# KiCad board Duet2.kicad_pcb (continued)
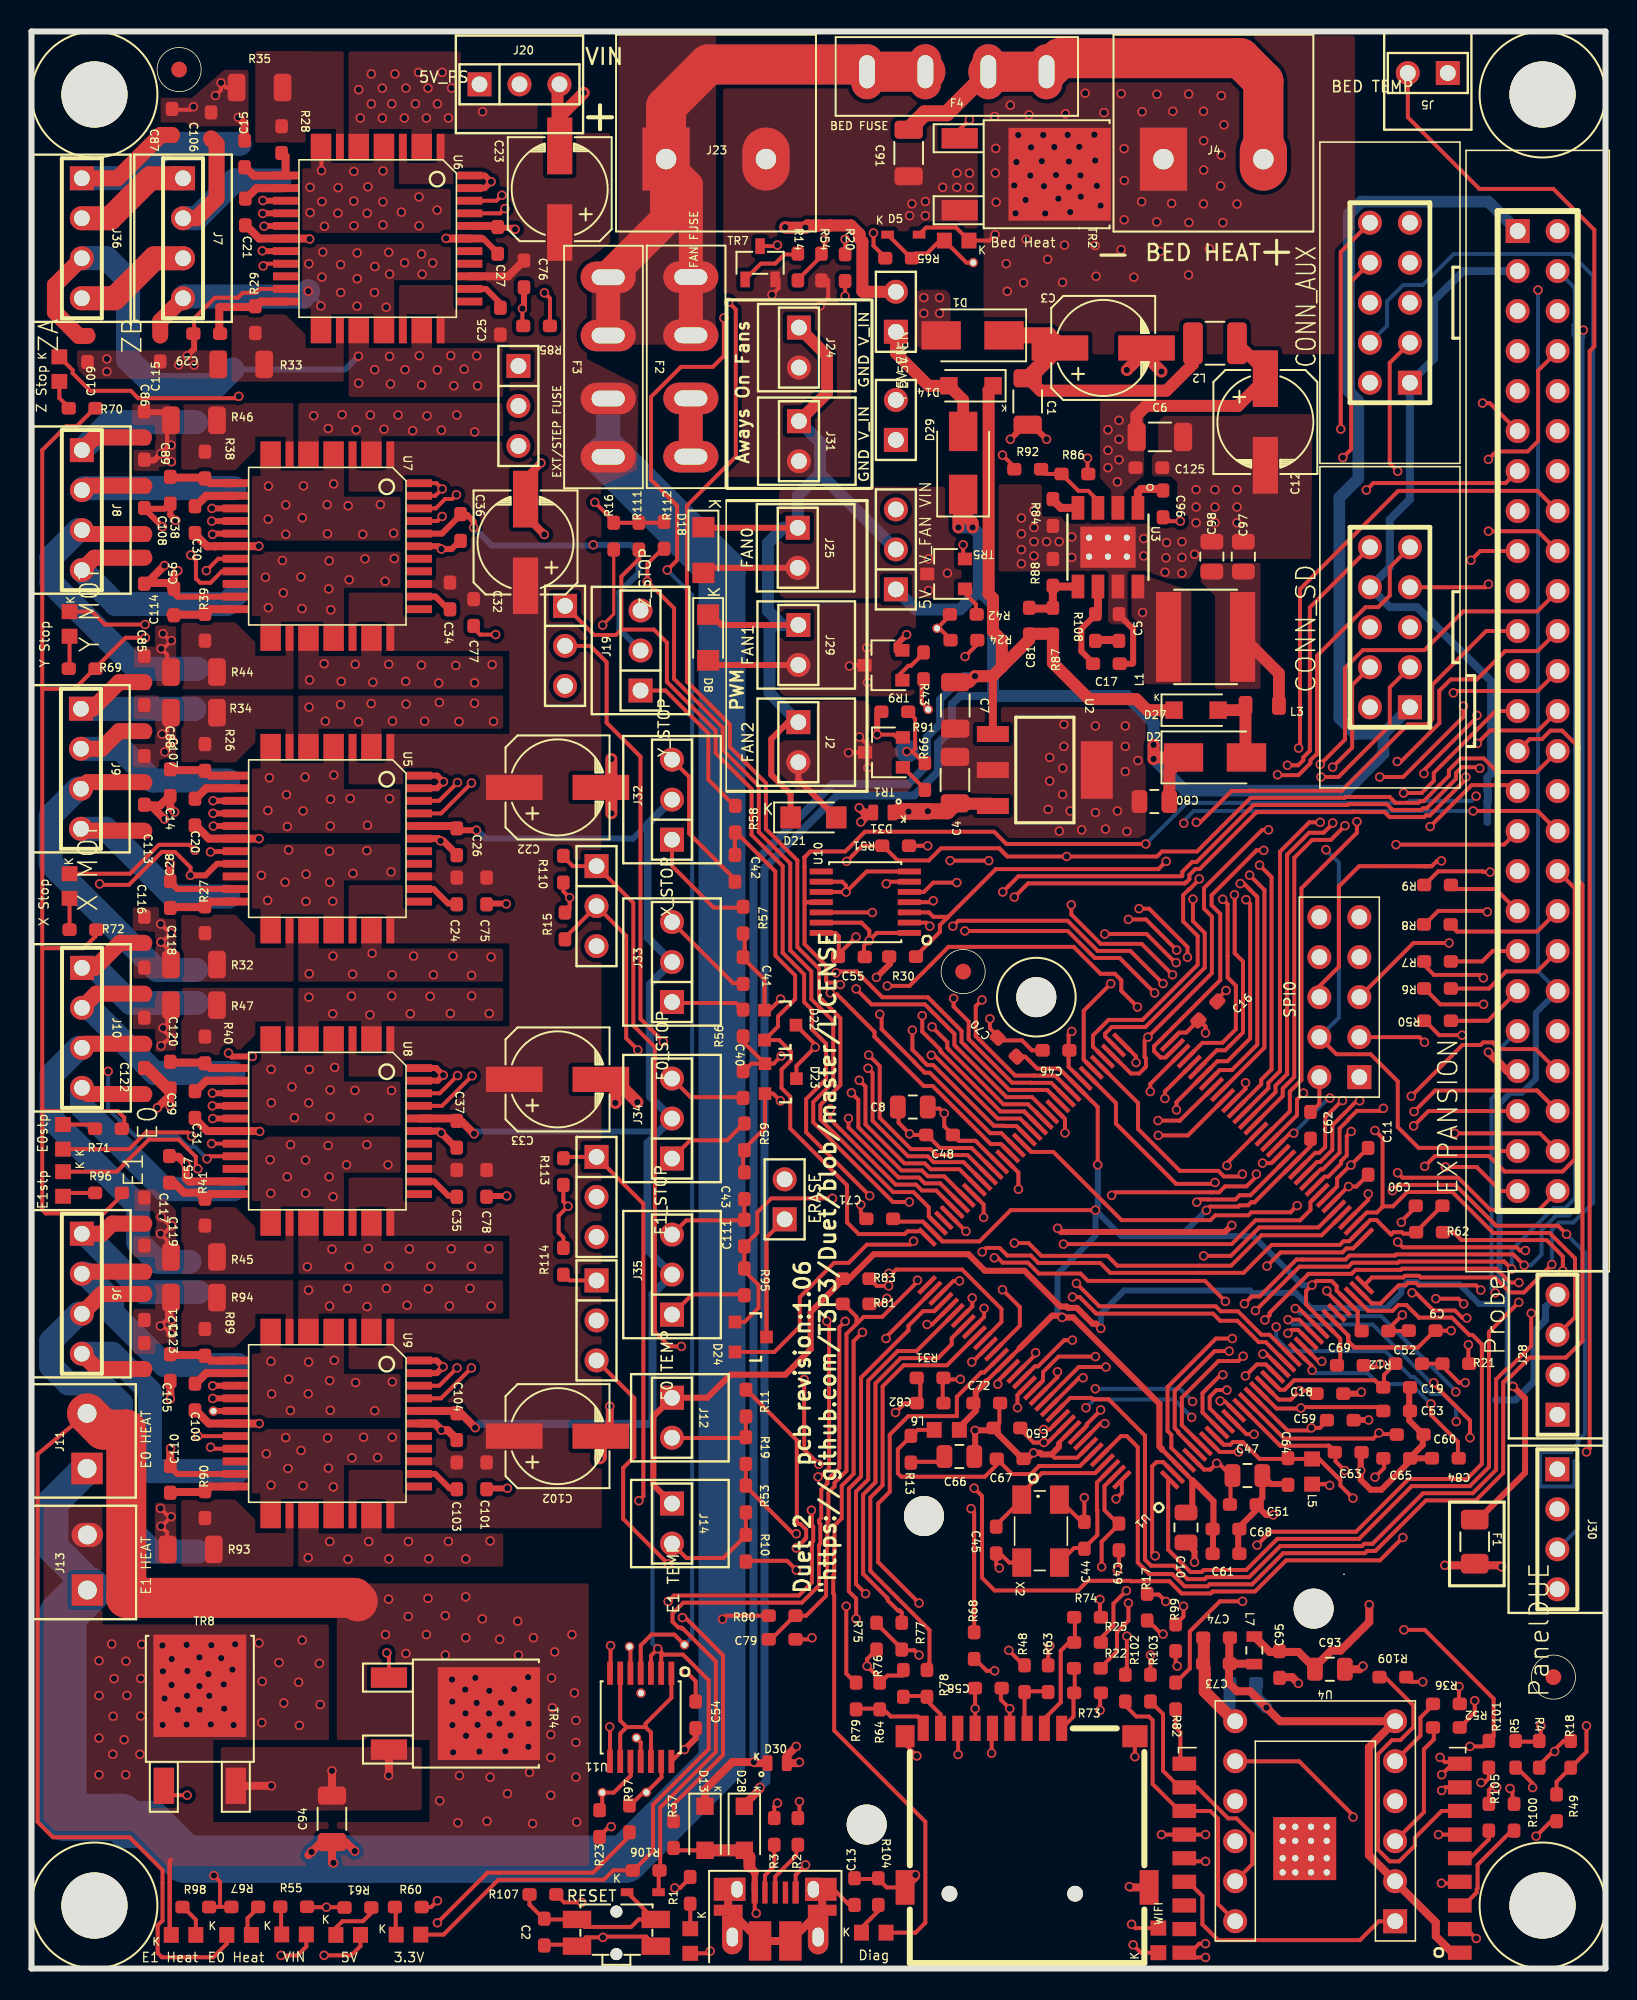
[diagram p0: board, top side]
## Placement (name value [footprint] x y rotation side) (continued)
TP15  TP  [TP_via]  11.54 35.41 0 top
TP16  TP  [TP_via]  59.81 108.34 0 top
TR1  AO3400A  [SOT-23_AO3400A]  54.16 77.22 180 top
TR2  IPD036N04L  [D-PAK]  65.32 113.93 270 top
TR4  AOD4184A  [D-PAK]  29.06 16.19 270 top
TR5  AO3400A  [SOT-23_AO3400A]  58.11 88.55 180 top
TR7  AO3400A  [SOT-23]  46.29 108.31 0 top
TR8  AOD4184A  [D-PAK]  10.7 17.95 0 top
TR9  AO3400A  [SOT-23_AO3400A]  54.13 82.76 180 top
U1  ATSAM4E8E  [LQFP144]  70.79 44.93 225 top
U2  AP7361C-33E-13  [SOT-223]  64.38 76.1 270 top
U3  AP64200  [SO8_EP1_DiodesInc]  68.39 90.25 270 top
U4  -  [ESP-WROOM-02]  81.99 7 180 top
U5  -  [TMC2660]  18.8 71.75 270 top
U6  -  [TMC2660]  21.99 109.85 270 top
U7  -  [TMC2660]  18.8 90.32 270 top
U8  -  [TMC2660]  18.8 53.18 270 top
U9  -  [TMC2660]  18.8 34.61 270 top
U10  74HC125  [TSSOP-14]  52.97 67.71 90 top
U11  74HCT02  [TSSOP-14]  38.7 15.95 180 top
X2  CRYSTAL_4PIN  [Xtal_5x3.2]  64.11 27.77 270 top

## Library data of the parts
C1 C4 C6 C7 C91 C94 = -: Part Number: GMK316BJ106KL-T
C2 C13-C15 C28 C29 C38 C39 C56 C57 C79 C105 C110 = -: Part Number: CL10B103KB8NNNC
C3 C12 C22 C23 C32 C33 C102 = -: Part Number: 865080545012
C5 = -: Part Number: CL10B562KB8NNNC
C8 C10 C47 C93 = -: Part Number: CL21A106KPFNNNE
C9 C11 C16 C26 C27 C36 C37 C46 C48-C52 C54 C55 C61 C62 C64 C67 C69-C72 C82 C96 C104 = -: Part Number: CL10B104KO8NNNC
C18 C19 C53 C58-C60 C63 C65 C68 C84 = -: Part Number: GRM188R6YA225KA12D
C20 C21 C30 C31 C100 = -: Part Number: GRM188R61A474KA61D
C24 C25 C34 C35 C103 C125 = -: Part Number: CL10B104KB8NNNC
C40-C43 C90 C95 C111 = -: Part Number: 0603B222K500CT
C44 C45 = -: Part Number: VJ0603A100JXACW1BC
C66 = -: Part Number: CL21B475KPFNNNE
C73 = -: Part Number: DNP- 220p X7R 50V
C74 = -: Part Number: DNP - 2n2 X7R 50V
C75-C78 C101 = -: Part Number: UMK107BJ105KA-T
C80 C97 C98 = -: Part Number: GRM21BR61E226ME44L
C85-C89 C106-C109 C113-C123 = -: Part Number: VJ0603Y102KXACW1BC
D1 D2 D29 = -: Part Number: SK34ATR
D3 D4 D6 D7 D9-D12 D17 D19 D20 = -: Part Number: 150060RS75000
D5 D25 = -: Part Number: 1N4448WT
D8 D18 D21 = -: Part Number: ES1CL RVG / VS-1EFH02HM3/I
D13 D14 D27 D28 = -: Part Number: DSS14UTR / RB162MM-40TR
D15 = -: Part Number: 150060BS75000
D16 D26 = -: Part Number: 150060VS75000
D22-D24 = -: Part Number: BAT54CLT1G
D30 = -: Part Number: 824032815
D31 = -: Part Number: 824032813
F1 = -: Part Number: 0ZCJ0020FF2E
F2 = -: Part Number: MCCQ-122 + Fitted with 1A Fuse e.g. 168.6785.4102
F3 = -: Part Number: MCCQ-122 + Fitted with 7.5A Fuse e.g. 029707.5WXNV
F4 = -: Part Number: MCCQ-122 + Fitted with 15A Fuse e.g. 029707.5WXNV
J1 = -: Part Number: 61205021621
J2 J5 J12 J14 J24 J25 J29 J31 = -: Part Number: 61900211121
J3 = -: Part Number: THS-03-R
J4 J23 = -: Part Number: KF635
J6-J10 J28 J30 J36 = -: Part Number: 61900411121
J11 J13 = -: Part Number: KF124-3.50-2P; Field5: front
J15 = -: Part Number: 693071020811
J16 = -: Part Number: B01-1x6-AG1-G (ethernet only)
J19 J20 J32-J35 = -: Part Number: 61900311121
J22 = -: Part Number: 10103594-0001LF
J37 = -: Part Number: THD-05-R; Field5: <10mm max height
JP1 JP9 JP10 = -: Part Number: THS-02-R
L1 = -: Part Number: 74404064100
L2 = -: Part Number: BRL3225T1R0M
L3 = -: Part Number: 742792031 / MPZ2012S221AT000
L5 L6 = -: Part Number: 742792662 / PE-0603FB102ST
M1-M7 TP1-TP16 = -: Part Number: Virtual Component DNP
P1 P2 = -: Part Number: 61201021621 / 302-S-10-D1R1
R1 R17 R61 R104 = -: Part Number: RMCF0603FT2K20
R2 R3 = -: Part Number: ERJ3EKF27R0V
R4 R18 R54 R55 R65 R67 R81 R98 R110-R114 = -: Part Number: ERJ3EKF4701V
R5 R49 R103 = -: Part Number: RC0603FR-07470RL
R6-R12 R24 R50 R51 R56-R59 R62-R64 R83 R88 R91 R95 R106 = -: Part Number: RMCF0603FT10K0
R13 = -: Part Number: MCWR06W1R00FTL
R14 R42 R43 R66 R69-R72 R82 R96 R99 R102 = -: Part Number: ERJ3EKF1001V
R15 R16 R85 = -: Part Number: DNP - ERJ3EKF4701V
R19 R21 R53 = -: Part Number: RN73H1JTTD4701B25
R20 R23 R60 R97 R109 = -: Part Number: ERJ3EKF1800V
R22 R25 R48 R77-R79 = -: Part Number: ERJ3EKF2200V
R26-R29 R38-R41 R89 R90 = -: Part Number: RC0603FR-1322RL
R30 = -: Part Number: ERJ3EKF68R0V
R31 R80 = -: Part Number: CR0603-FX-4702ELF
R32-R35 R44-R47 R93 R94 = -: Part Number: CSR1206FT50L0
R36 R52 R68 R100 R101 R105 R107 = -: Part Number: ERJ3EKF1000V
R37 = -: Part Number: RC0603FR-0727KL
R73-R76 = -: Part Number: DNP - 47K
R84 = -: Part Number: RC0603FR-07200KL
R86 R108 = -: Part Number: RC0603FR-0714KL
R87 = -: Part Number: RC0603FR-0752K3L
R92 = -: Part Number: RC0603FR-0768K1L
S1 = -: Part Number: LY-A03-02A
TR1 TR5 TR7 TR9 = -: Part Number: AO3400A / AOSS32334C
TR2 = -: Part Number: IPD90N03S4L03
TR4 TR8 = -: Part Number: AOD66406 / AOD4184A
U1 = -: Part Number: ATSAM4E8EA-AU
U3 = -: Part Number: AP64200SP-13
U4 = -: Part Number: ESP-WROOM-02/U (Internal and External Antenna Versions)
U5-U9 = -: Part Number: TMC2660-PA-T
U10 = -: Part Number: MC74HC125ADTR2G
U11 = -: Part Number: SN74HCT02PWR
X2 = -: Part Number: ABM3B-12.000MHZ-10-1-U-T

## Footprints (pads in the part's own frame, mm; a bottom-side part is the same pattern mirrored in y, then rotated)
3.5MM_2X1
  rect 2x2 hole 1.199: 1(-1.75,0)
  oval 1.524x2 hole 1.199: 2(1.75,0)
C_0603_1608Metric_Wbry
  rrect 0.9x0.8 smd: 1(-0.85,0) 2(0.85,0)
C_0805_2012Metric
  rrect 1x1.45 smd: 1(-0.95,0) 2(0.95,0)
C_1206_3216Metric
  rrect 1.15x1.8 smd: 1(-1.475,0) 2(1.475,0)
C_ELEC_6.3x7.7
  rect 3.599x1.6 smd: 1(2.751,0) 2(-2.751,0)
CONN_3x1
  rect 1.524x1.524 hole 1: 1(-2.54,0)
  round 1.524 hole 1: 2(0,0) 3(2.54,0)
CONN_ALT_HEADER_v2
  round 2.54 hole 2.54 unplated: (-33.57,6.14) (-29.93,25.73) (-5.176,19.85)
  rect 1.524x1.524 hole 1: 1(0,0)
  round 1.524 hole 1: 2(0,2.54) 3(0,5.08) 4(0,7.62) 5(0,10.16) 6(0,12.7) 10(-10.16,12.7) 11(-10.16,10.16) 12(-10.16,7.62) 13(-10.16,5.08) 14(-10.16,2.54) 15(-10.16,0)
D-PAK
  rect 5.9x6.5 smd: D(0,0)
  rect 1.3x2.301 smd: G(-2.286,-6.35) S(2.286,-6.35)
D_0603
  rect 0.95x1.001 smd: 1(0.762,0) 2(-0.8,0)
D_SMA
  rect 2.5x1.8 smd: 1(-2,0) 2(2,0)
D_SOD-123F
  rect 1.1x1.1 smd: 1(-1.4,0) 2(1.4,0)
DFN1610-2L
  rrect 0.625x1 smd: 1(-0.613,0) 2(0.613,0)
DO-219AB
  rect 1.3x1.4 smd: 1(-1.45,0) 2(1.45,0)
ESP-WROOM-02
  rect 1.5x0.9 smd: 1(-8.75,6) 2(-8.75,4.5) 3(-8.75,3) 4(-8.75,1.5) 5(-8.75,0) 6(-8.75,-1.5) 7(-8.75,-3) 8(-8.75,-4.5) 9(-8.75,-6) 10(8.75,-6) 11(8.75,-4.5) 12(8.75,-3) 13(8.75,-1.5) 14(8.75,0) 15(8.75,1.5) 16(8.75,3) 17(8.75,4.5) 18(8.75,6)
  round 0.6 hole 0.4: 19(-0.3,0.9) 19(-0.3,0) 19(-0.3,-1.1) 19(-0.3,-2) 19(0.7,0.9) 19(0.7,0) 19(0.7,-1.1) 19(0.7,-2) 19(1.7,0.9) 19(1.7,0) 19(1.7,-1.1) 19(1.7,-2) 19(2.5,0.9) 19(2.5,0) 19(2.5,-1.1) 19(2.5,-2)
  rect 1.7x1.7 smd: 19(0.1,0.4) 19(0.1,-1.6) 19(2.1,0.4) 19(2.1,-1.6)
  rect 4x4 smd: 19(1.1,-0.61)
Fiducial_1mm_Dia_2.54mm_Outer_CopperTop
  round 1 smd: (0,0)
Fixing_M4
  round 4.201 hole 4.201 unplated: (0,0)
Fuse_1206_3216Metric
  rrect 1.25x1.75 smd: 1(-1.4,0) 2(1.4,0)
IDC_PIN_ARRAY_5x2
  rect 1.524x1.524 hole 1: 1(-5.08,-1.27)
  round 1.524 hole 1: 2(-5.08,1.27) 3(-2.54,-1.27) 4(-2.54,1.27) 5(0,-1.27) 6(0,1.27) 7(2.54,-1.27) 8(2.54,1.27) 9(5.08,-1.27) 10(5.08,1.27)
JUMPER
  rect 1.524x1.524 hole 1: 1(-1.27,0)
  round 1.524 hole 1: 2(1.27,0)
L_6x6
  rect 5.7x1.6 smd: 1(0,-2.35) 2(0,2.35)
L_0603_1608Metric
  rect 0.67x1 smd: 1(-0.875,0) 2(0.875,0)
L_0805_2012Metric
  rrect 0.875x1.2 smd: 1(-1.062,0) 2(1.062,0)
L_1210_3225Metric
  rrect 1.25x2.65 smd: 1(-1.4,0) 2(1.4,0)
LQFP144
  rect 0.279x1.501 smd: 1(8.75,10.899) 2(8.25,10.899) 3(7.75,10.899) 4(7.249,10.899) 5(6.749,10.899) 6(6.251,10.899) 7(5.751,10.899) 8(5.25,10.899) 9(4.75,10.899) 10(4.249,10.899) 11(3.749,10.899) 12(3.251,10.899) 13(2.751,10.899) 14(2.25,10.899) 15(1.75,10.899) 16(1.25,10.899) 17(0.749,10.899) 18(0.249,10.899) 19(-0.249,10.899) 20(-0.749,10.899) 21(-1.25,10.899) 22(-1.75,10.899) 23(-2.25,10.899) 24(-2.751,10.899) 25(-3.251,10.899) 26(-3.749,10.899) 27(-4.249,10.899) 28(-4.75,10.899) 29(-5.25,10.899) 30(-5.751,10.899) 31(-6.251,10.899) 32(-6.749,10.899) 33(-7.249,10.899) 34(-7.75,10.899) 35(-8.25,10.899) 36(-8.75,10.899) 73(-8.75,-10.899) 74(-8.25,-10.899) 75(-7.75,-10.899) 76(-7.249,-10.899) 77(-6.749,-10.899) 78(-6.251,-10.899) 79(-5.751,-10.899) 80(-5.25,-10.899) 81(-4.75,-10.899) 82(-4.249,-10.899) 83(-3.749,-10.899) 84(-3.251,-10.899) 85(-2.751,-10.899) 86(-2.25,-10.899) 87(-1.75,-10.899) 88(-1.25,-10.899) 89(-0.749,-10.899) 90(-0.249,-10.899) 91(0.249,-10.899) 92(0.749,-10.899) 93(1.25,-10.899) 94(1.75,-10.899) 95(2.25,-10.899) 96(2.751,-10.899) 97(3.251,-10.899) 98(3.749,-10.899) 99(4.249,-10.899) 100(4.75,-10.899) 101(5.25,-10.899) 102(5.751,-10.899) 103(6.251,-10.899) 104(6.749,-10.899) 105(7.249,-10.899) 106(7.75,-10.899) 107(8.25,-10.899) 108(8.75,-10.899)
  rect 1.501x0.279 smd: 37(-10.899,8.75) 38(-10.899,8.25) 39(-10.899,7.75) 40(-10.899,7.249) 41(-10.899,6.749) 42(-10.899,6.251) 43(-10.899,5.751) 44(-10.899,5.25) 45(-10.899,4.75) 46(-10.899,4.249) 47(-10.899,3.749) 48(-10.899,3.251) 49(-10.899,2.751) 50(-10.899,2.25) 51(-10.899,1.75) 52(-10.899,1.25) 53(-10.899,0.749) 54(-10.899,0.249) 55(-10.899,-0.249) 56(-10.899,-0.749) 57(-10.899,-1.25) 58(-10.899,-1.75) 59(-10.899,-2.25) 60(-10.899,-2.751) 61(-10.899,-3.251) 62(-10.899,-3.749) 63(-10.899,-4.249) 64(-10.899,-4.75) 65(-10.899,-5.25) 66(-10.899,-5.751) 67(-10.899,-6.251) 68(-10.899,-6.749) 69(-10.899,-7.249) 70(-10.899,-7.75) 71(-10.899,-8.25) 72(-10.899,-8.75) 109(10.899,-8.75) 110(10.899,-8.25) 111(10.899,-7.75) 112(10.899,-7.249) 113(10.899,-6.749) 114(10.899,-6.251) 115(10.899,-5.751) 116(10.899,-5.25) 117(10.899,-4.75) 118(10.899,-4.249) 119(10.899,-3.749) 120(10.899,-3.251) 121(10.899,-2.751) 122(10.899,-2.25) 123(10.899,-1.75) 124(10.899,-1.25) 125(10.899,-0.749) 126(10.899,-0.249) 127(10.899,0.249) 128(10.899,0.749) 129(10.899,1.25) 130(10.899,1.75) 131(10.899,2.25) 132(10.899,2.751) 133(10.899,3.251) 134(10.899,3.749) 135(10.899,4.249) 136(10.899,4.75) 137(10.899,5.25) 138(10.899,5.751) 139(10.899,6.251) 140(10.899,6.749) 141(10.899,7.249) 142(10.899,7.75) 143(10.899,8.25) 144(10.899,8.75)
MAX_TEMP_DB
  round 2.54 hole 2.54 unplated: (0,19.251)
  rect 1.524x1.524 hole 1: 1(-5.08,-1.27)
  round 1.524 hole 1: 2(-5.08,1.27) 3(-2.54,-1.27) 4(-2.54,1.27) 5(0,-1.27) 6(0,1.27) 7(2.54,-1.27) 8(2.54,1.27) 9(5.08,-1.27) 10(5.08,1.27)
MCCQ-122-minibladefuseholder
  oval 2x3.5 hole 1x2.1: 1(0,0) 1(3.7,0) 2(7.7,0) 2(11.4,0)
PIN_ARRAY_2X1
  rect 1.524x1.524 hole 1: 1(-1.27,0)
  round 1.524 hole 1: 2(1.27,0)
PIN_ARRAY_3X1
  rect 1.524x1.524 hole 1: 1(-2.54,0)
  round 1.524 hole 1: 2(0,0) 3(2.54,0)
PIN_ARRAY_4x1
  rect 1.524x1.524 hole 1: 1(-3.81,0)
  round 1.524 hole 1: 2(-1.27,0) 3(1.27,0) 4(3.81,0)
PIN_ARRAY_25X2
  rect 1.524x1.524 hole 1: 1(-30.48,-1.27)
  round 1.524 hole 1: 2(-30.48,1.27) 3(-27.94,-1.27) 4(-27.94,1.27) 5(-25.4,-1.27) 6(-25.4,1.27) 7(-22.86,-1.27) 8(-22.86,1.27) 9(-20.32,-1.27) 10(-20.32,1.27) 11(-17.78,-1.27) 12(-17.78,1.27) 13(-15.24,-1.27) 14(-15.24,1.27) 15(-12.7,-1.27) 16(-12.7,1.27) 17(-10.16,-1.27) 18(-10.16,1.27) 19(-7.62,-1.27) 20(-7.62,1.27) 21(-5.08,-1.27) 22(-5.08,1.27) 23(-2.54,-1.27) 24(-2.54,1.27) 25(0,-1.27) 26(0,1.27) 27(2.54,-1.27) 28(2.54,1.27) 29(5.08,-1.27) 30(5.08,1.27) 31(7.62,-1.27) 32(7.62,1.27) 33(10.16,-1.27) 34(10.16,1.27) 35(12.7,-1.27) 36(12.7,1.27) 37(15.24,-1.27) 38(15.24,1.27) 39(17.78,-1.27) 40(17.78,1.27) 41(20.32,-1.27) 42(20.32,1.27) 43(22.86,-1.27) 44(22.86,1.27) 45(25.4,-1.27) 46(25.4,1.27) 47(27.94,-1.27) 48(27.94,1.27) 49(30.48,-1.27) 50(30.48,1.27)
R_0603
  rect 0.95x1.001 smd: 1(-0.8,0) 2(0.8,0)
R_0603_1608Metric_Wbry
  rrect 0.9x0.8 smd: 1(-0.85,0) 2(0.85,0)
R_1206_3216Metric
  rrect 1.125x1.75 smd: 1(-1.462,0) 2(1.462,0)
SO8_EP1_DiodesInc
  rect 1.505x0.802 smd: 1(-2.498,1.905) 2(-2.498,0.635) 3(-2.498,-0.635) 4(-2.498,-1.905) 5(2.498,-1.905) 6(2.498,-0.635) 7(2.498,0.635) 8(2.498,1.905)
  round 0.6 hole 0.4: 9(-0.6,1.2) 9(-0.6,0) 9(-0.6,-1.2) 9(0.6,1.2) 9(0.6,0) 9(0.6,-1.2)
  rect 1.2x1.6 smd: 9(-0.6,0.8) 9(-0.6,-0.8) 9(0.6,0.8) 9(0.6,-0.8)
  rect 2.613x3.502 smd: 9(0,0)
  rect 2.613x3.502 smd far side: 9(0,0)
SOD-523F
  rect 0.8x0.5 smd: 1(-1,0) 2(1,0)
SOT-23
  rect 0.599x1.001 smd: D(0,1.057) G(-0.953,-1.057) S(0.953,-1.057)
SOT-23-D
  rect 0.8x0.8 smd: 1(-0.95,-1.001) 2(0.95,-1.001) 3(0,0.998)
SOT-23_AO3400A
  rect 0.9x0.8 smd: 1(-1.2,0.95) 2(-1.2,-0.95) 3(1.2,0)
SOT-223
  rect 1.016x2.032 smd: 1(-2.286,-3.302) 2(0,-3.302) 3(2.286,-3.302)
  rect 3.658x2.032 smd: 4(0,3.302)
SW_SIDE_1_lugs
  round 0.762 hole 0.762 unplated: (0,1.35) (0,-1.35)
  rect 1.8x1.1 smd: 1(-2.5,-0.85) 2(2.5,-0.85) 3(2.5,0.85) 4(-2.5,0.85)
TERM_2-WAY_6.35mm
  rect 3x4 hole 1.3: 1(-3.175,0)
  oval 3x4 hole 1.3: 2(3.175,0)
TestPoint_Pad_D1.5mm
  round 1.5 smd: 1(0,0)
TMC2660
  rect 1.6x0.5 smd: 1(-5.85,4) 4(-5.85,1.6) 9(-5.85,-2.4) 25(5.85,-2.4) 30(5.85,1.6) 33(5.85,4)
  rect 1.6x1.3 smd: 2.3(-5.85,2.8) 5.6(-5.85,0.4) 7.8(-5.85,-1.2) 10.1(-5.85,-3.6) 23.4(5.85,-3.6) 26.7(5.85,-1.2) 28.9(5.85,0.4) 31.2(5.85,2.8)
  rect 0.5x1.6 smd: 12(-4,-5.85) 13(-3.2,-5.85) 14(-2.4,-5.85) 15(-1.6,-5.85) 16(-0.8,-5.85) 17(0,-5.85) 18(0.8,-5.85) 19(1.6,-5.85) 20(2.4,-5.85) 21(3.2,-5.85) 22(4,-5.85) 34(4,5.85) 35(3.2,5.85) 36(2.4,5.85) 37(1.6,5.85) 38(0.8,5.85) 39(0,5.85) 40(-0.8,5.85) 41(-1.6,5.85) 42(-2.4,5.85) 43(-3.2,5.85) 44(-4,5.85)
TP_via
  round 0.599 hole 0.399: 1(0.02,-0.01)
TSSOP-14
  rect 0.368x1.471 smd: 1(-1.95,-2.799) 2(-1.3,-2.799) 3(-0.65,-2.799) 4(0,-2.799) 5(0.65,-2.799) 6(1.3,-2.799) 7(1.95,-2.799) 8(1.95,2.799) 9(1.3,2.799) 10(0.65,2.799) 11(0,2.799) 12(-0.65,2.799) 13(-1.3,2.799) 14(-1.95,2.799)
uSD_SKT
  round 1 hole 1 unplated: (-4.93,0) (3.051,0)
  rect 0.701x1.6 smd: 1(2.2,10.5) 2(1.1,10.5) 3(0,10.5) 4(-1.1,10.5) 5(-2.2,10.5) 6(-3.299,10.5) 7(-4.399,10.5) 8(-5.499,10.5) 9(-6.599,10.5)
  rect 1.199x1.4 smd: G(-7.75,10)
  rect 1.199x2.2 smd: G(-7.75,0.399) G(7.75,0.399)
  rect 1.6x1.4 smd: G(6.85,10)
uUSB_new
  rect 0.4x1.4 smd: 1(-1.3,2.825) 5(1.3,2.825)
  rect 0.34x1.4 smd: 2(-0.65,2.825) 3(0,2.825) 4(0.65,2.825)
  rect 1.825x0.7 smd: CE(-2.987,1.7) CE(2.987,1.7)
  rect 2x1.46 smd: CE(-2.9,3.03) CE(2.9,3.03)
  rect 1.3x0.8 smd: CE(-2.725,0.95) CE(2.725,0.95)
  oval 1.3x2.2 hole 0.711x1.2: CE(-2.725,0) CE(2.725,0)
  rect 1.05x1.46 hole 0.711x1.05: CE(-2.425,3.03) CE(2.425,3.03)
  rect 1.425x2.5 smd: CE(-0.963,-0.25) CE(0.963,-0.25)
Xtal_5x3.2
  rect 1.801x1.199 smd: 1(-1.999,-1.199) 2(1.999,-1.199) 3(1.999,1.199) 4(-1.999,1.199)

## Nets
5V_EXT: C80.1 D2.1 D28.1 D29.1 J1.1 J3.1 J30.1 P1.1
5V_EXT_INPUT: J20.1 JP10.2
5V_INT: C7.1 C54.1 C81.1 D13.1 D14.1 D17.1 D27.1 D30.1 R87.1 U2.1 U11.14
+3.3V: C4.1 C8.1 C9.1 C11.1 C16.1 C26.1 C27.1 C36.1 C37.1 C46.1 C47.1 C48.1 C49.1 C50.1 C51.1 C55.1 C58.1 C93.1 C95.2 C104.1 D16.1 D22.3 D23.3 D24.3 D26.1 D31.1 J1.3 J1.43 J15.4 J19.2 J28.4 J32.2 J33.2 J34.2 J35.2 J37.8 JP1.1 L5.2 L7.1 P1.8 P2.1 R51.1 R63.2 R64.2 R69.2 R70.2 R71.2 R72.2 R73.2 R74.2 R75.2 R76.2 R96.2 R106.2 U1.5 U1.30 U1.43 U1.72 U1.80 U1.96 U1.134 U1.143 U2.3 U5.40 U6.40 U7.40 U8.40 U9.40 U10.14 U11.2 U11.3
/Power Supplies/5V_common: D2.2 D27.2 L3.1
/Power Supplies/5v_in: C6.1 C12.1 C125.1 JP9.2 L2.1 U3.2
/Power Supplies/5vbst: C96.1 U3.1
/Power Supplies/5vcomp: C17.1 R108.1 U3.6
/Power Supplies/5vcompcap: C5.1 R108.2
/Power Supplies/5ven: R86.1 R92.2 U3.3
/Power Supplies/5venjump: JP9.1 R92.1
/Power Supplies/5vext: D14.2 D29.2 JP10.1
/Power Supplies/5vfb: C81.2 R87.2 R88.1 U3.5
/Power Supplies/5vout: C97.1 C98.1 L1.1 L3.2
/Power Supplies/5vrt: R84.1 U3.4
/Power Supplies/5vsw: C96.2 L1.2 U3.8
/Power Supplies/vin: C1.1 C3.1 D1.1 L2.2
/Processor/VDDCORE: C10.1 C52.1 C61.1 C62.1 C68.1 C69.1 C70.1 C71.1 C72.1 L6.1 U1.3 U1.29 U1.33 U1.50 U1.81 U1.107 U1.123
GND: C1.2 C2.2 C3.2 C4.2 C5.2 C6.2 C7.2 C8.2 C9.2 C10.2 C11.2 C12.2 C13.2 C14.2 C15.2 C16.2 C17.2 C18.2 C19.2 C20.2 C21.2 C22.2 C23.2 C26.2 C27.2 C28.2 C29.2 C30.2 C31.2 C32.2 C33.2 C36.2 C37.2 C38.2 C39.2 C40.2 C41.2 C42.2 C43.2 C44.2 C45.2 C46.2 C47.2 C48.2 C49.2 C50.2 C51.2 C52.2 C53.2 C54.2 C55.2 C56.2 C57.2 C58.2 C59.2 C60.2 C61.2 C62.2 C63.2 C64.2 C65.2 C66.2 C67.2 C68.2 C69.2 C70.2 C71.2 C72.2 C73.2 C74.2 C75.2 C76.2 C77.2 C78.2 C79.2 C80.2 C82.2 C84.2 C85.1 C86.1 C87.1 C88.1 C89.1 C90.2 C91.2 C92.2 C93.2 C94.2 C95.1 C97.2 C98.2 C100.2 C101.2 C102.2 C104.2 C105.2 C106.1 C107.1 C108.1 C109.1 C110.2 C111.2 C113.1 C114.1 C115.1 C116.1 C117.1 C118.1 C119.1 C120.1 C121.1 C122.1 C123.1 C125.2 D30.2 D31.2 F1.2 J1.2 J1.30 J1.42 J15.6 J15.G J16.10 J19.3 J20.3 J22.5 J23.2 J24.2 J28.2 J30.2 J31.2 J32.3 J33.3 J34.3 J35.3 J37.2 P1.2 P2.2 R1.2 R4.2 R15.2 R16.2 R18.2 R24.1 R31.2 R32.1 R33.1 R34.1 R35.1 R44.1 R45.1 R46.1 R47.1 R54.2 R55.2 R60.2 R61.2 R81.2 R84.2 R85.2 R86.2 R88.2 R91.1 R93.1 R94.1 R104.1 R110.2 R111.2 R112.2 R113.2 R114.2 S1.1 S1.2 TR1.2 TR2.S TR4.S TR5.2 TR7.S TR8.S TR9.2 U1.8 U1.44 U1.61 U1.85 U1.95 U1.104 U1.115 U1.135 U1.138 U2.2 U2.4 U3.7 U3.9 U4.9 U4.13 U4.18 U4.19 U5.17 U5.21 U5.39 U5.43 U5.44 U6.17 U6.21 U6.39 U6.43 U6.44 U7.17 U7.21 U7.39 U7.43 U7.44 U8.17 U8.21 U8.39 U8.43 U8.44 U9.17 U9.21 U9.39 U9.43 U9.44 U10.1 U10.4 U10.7 U10.9 U10.10 U10.13 U11.7 X2.2 X2.4
VBUS: D3.1 D13.2 D28.2 J22.1 R37.1
VSSA: F1.1 J1.40 J5.1 J12.1 J14.1 R83.1
/Heater & Fan Control/bedg: R20.1 TR2.G
/Heater & Fan Control/vfanfused: F2.2 J3.3
/Processor/temp0: C19.1 R12.2 U1.19
/Processor/temp1: C18.1 R11.2 U1.18
/Processor/temp2: C53.1 R10.2 U1.17
/Processor/temp3: C59.1 R9.2 U1.16
/Processor/temp4: C60.1 R8.2 U1.15
/Processor/temp5: C63.1 R7.2 U1.14
/Processor/temp6: C65.1 R6.2 U1.12
/Processor/temp7: C84.1 R50.2 U1.24
ADVREF: C64.1 J1.41 L5.1 R19.2 R21.2 R53.2 U1.9
BED-: D5.2 D6.2 J4.1 TR2.D
BED_PWM: R20.2 TP9.1 U11.4
CS3: J37.7 U1.117
CS4: J37.9 U1.120
CS5: J1.50 U1.56
D6_TestPoint: D5.1 D6.1 R65.1 TP16.1
DDM: R3.2 U1.136
DDP: R2.2 U1.137
E0-: D7.2 J11.2 TR4.D
E0_DIR: TP4.2 U1.99 U8.41
E0_EN: TP4.3 U1.103 U8.18
E0_MOT_1A: C118.2 J10.2 U8.5.6 U8.10.1
E0_MOT_1B: C116.2 J10.1 U8.2.3 U8.7.8
E0_MOT_2A: C120.2 J10.3 U8.26.7 U8.31.2
E0_MOT_2B: C122.2 J10.4 U8.23.4 U8.28.9
E0_PWM: R23.2 TP10.1 U11.10
E0_STEP: R113.1 TP4.1 U1.125 U8.42
E0_STOP: C43.1 D23.2 R59.1 U1.101
E0_STOP_CONN: D11.2 J34.1 R59.2
E1-: D20.2 J13.2 TR8.D
E1_DIR: TP5.2 U1.110 U9.41
E1_EN: TP5.3 U1.133 U9.18
E1_MOT_1A: C119.2 J6.2 U9.5.6 U9.10.1
E1_MOT_1B: C117.2 J6.1 U9.2.3 U9.7.8
E1_MOT_2A: C121.2 J6.3 U9.26.7 U9.31.2
E1_MOT_2B: C123.2 J6.4 U9.23.4 U9.28.9
E1_PWM: R97.2 TP11.1 U11.13
E1_STEP: R114.1 TP5.1 U1.126 U9.42
E1_STOP: C111.1 D24.1 R95.1 U1.100
E1_STOP_CONN: D19.2 J35.1 R95.2
E2_DIR: J1.6 U1.71
E2_EN: J1.7 U1.57
E2_STEP: J1.5 U1.131
E2_STOP: J1.4 U1.4
E3_DIR: J1.11 U1.60
E3_EN: J1.12 U1.55
E3_STEP: J1.10 U1.132
E3_STOP: J1.9 U1.6
E4_DIR: J1.16 U1.78
E4_EN: J1.17 U1.52
E4_STEP: J1.15 U1.1
E4_STOP: J1.14 U1.7
E5_DIR: J1.21 U1.74
E5_EN: J1.22 U1.53
E5_STEP: J1.20 U1.128
E5_STOP: J1.19 U1.10
E6_DIR: J1.26 U1.11
E6_EN: J1.27 U1.140
E6_STEP: J1.25 U1.47
E6_STOP: J1.24 U1.25
EDR_CONN: J16.12 R17.1 U4.8
ENC_A: P2.4 U1.36
ENC_B: P2.3 U1.48
ENC_SW: P1.7 U1.35
ENN: J1.28 R51.2 U1.54 U5.19 U6.19 U7.19 U8.19 U9.19
ERASE: JP1.2 U1.87
ESP_3.3VIN: C73.1 C74.1 C92.1 J16.2 J16.6 L7.2 U4.1
ESP_DATA_RDY: R17.2 U1.2
ESP_EN: R18.1 R49.2 U1.28
ESP_RST: R4.1 R5.2 U1.27
ESP_RST_IN: J16.1 R5.1 U4.15
FAN0: R24.2 R42.2 TP12.1 U1.127
FAN0-: D18.2 J25.2 TR5.3
FAN1: R43.2 TP13.1 U1.13
FAN1-: D8.2 J29.2 TR9.3
FAN2: R66.2 R91.2 TP14.1 U1.102
FAN2-: D21.2 J2.2 TR1.3
GPIO4: R82.2 U4.10
GPIO5: J16.13 U4.14
HEATER0: TP6.1 U1.23 U11.5
HEATER1: TP7.1 U1.22 U11.8
HEATER2: TP8.1 U1.45 U11.11
HEATER3: J1.8 U1.40
HEATER4: J1.13 U1.58
HEATER5: J1.18 U1.82
HEATER6: J1.23 U1.94
HEATER7: J1.31 U1.49
LCD_DB4: P2.10 U1.63
LCD_DB5: P2.9 U1.65
LCD_DB6: P2.7 U1.67
LCD_DB7: P2.5 U1.69
LCD_E: P2.8 U1.59
LCD_RS: P2.6 U1.76
MCCDA: R48.2 U1.112
MCCK: R68.2 U1.129
MCDA0: R77.2 U1.116
MCDA1: R78.2 U1.118
MCDA2: R22.2 U1.62
MCDA3: R25.2 U1.70
MISO: J16.4 R101.2 U1.68
MOSI: R36.1 R105.2 U1.42
MOSI_ESP: J16.5 R36.2
NPCS0: R99.2 U1.64
NPCS0_CONN: J16.11 R99.1 U4.6
PB6/TMS: J1.29 U1.79
PB7/TCK: R83.2 U1.89
PS_ON: R14.2 R54.1 U1.106
PS_ON_IN: J20.2 TR7.D
PWR_FAIL_DET: C79.1 R80.2 R81.1 U1.41
RESET: D25.2 R106.1 U1.83
RESET_EXT: J1.44 R107.2
SAM_TFR_RDY: R82.1 U1.34
SD_CD: R79.2 U1.122
SPCK: R52.1 R100.2 U1.51
SPCK_ESP: J16.3 R52.2
SPI0_CS0: P1.3 U1.130
SPI0_CS1: J37.3 U1.26
SPI0_CS2: J37.1 U1.111
SPI0_MISO: J1.49 J37.6 P1.6 U1.21
SPI0_MOSI: J1.48 J37.5 P1.5 U1.20
SPI0_SCK: J1.47 J37.4 P1.4 U1.144
SPI1_MISO: J1.34 U1.32 U5.14 U6.14 U7.14 U8.14 U9.14
SPI1_MOSI: U1.37 U10.12
SPI1_MOSI_BUFF: J1.33 U5.15 U6.15 U7.15 U8.15 U9.15 U10.11
SPI1_SCK: U1.46 U10.2
SPI1_SCK_BUFF: R30.1 TP15.1 U5.16 U6.16 U7.16 U8.16 U9.16
SPI1_SCK_BUFF_EXP: J1.32 R30.2 U10.3
THERMISTOR0: J5.2 R12.1 R21.1
THERMISTOR1: J12.2 R11.1 R19.1
THERMISTOR2: J14.2 R10.1 R53.1
THERMISTOR3: J1.35 R9.1
THERMISTOR4: J1.36 R8.1
THERMISTOR5: J1.37 R7.1
THERMISTOR6: J1.38 R6.1
THERMISTOR7: J1.39 R50.1
TWCK0: J1.46 U1.77
TWD0: J1.45 U1.91
URXD0: J30.3 P1.9 U1.75
URXD1: R102.2 U1.73
URXD1_CONN: J16.15 R102.1 U4.12
USB_PWR_MON: C82.1 R31.1 R37.2 U1.124
UTXD0: J30.4 P1.10 U1.66
UTXD1: R103.2 U1.114
UTXD1_CONN: J16.14 R103.1 U4.11
V_BED: C91.1 F4.2 J4.2 R65.2
V_FAN: D8.1 D18.1 D21.1 J2.1 J3.2 J24.1 J25.1 J29.1 J31.1
V_FUSED: C22.1 C23.1 C24.1 C25.1 C32.1 C33.1 C34.1 C35.1 C75.1 C76.1 C77.1 C78.1 C94.1 C101.1 C102.1 C103.1 D1.2 F3.2 J11.1 J13.1 R67.2 R80.1 R98.2 U5.1 U5.4 U5.30 U5.33 U5.36 U6.1 U6.4 U6.30 U6.33 U6.36 U7.1 U7.4 U7.30 U7.33 U7.36 U8.1 U8.4 U8.30 U8.33 U8.36 U9.1 U9.4 U9.30 U9.33 U9.36
V_IN: D15.1 F2.1 F3.1 F4.1 J23.1
X_DIR: R15.1 TP3.2 U1.98 U5.41
X_EN: TP3.3 U1.84 U5.18
X_MOT_1A: C88.2 J9.2 U5.5.6 U5.10.1
X_MOT_1B: C85.2 J9.1 U5.2.3 U5.7.8
X_MOT_2A: C107.2 J9.3 U5.26.7 U5.31.2
X_MOT_2B: C113.2 J9.4 U5.23.4 U5.28.9
X_STEP: R110.1 TP3.1 U1.121 U5.42
X_STOP: C40.1 D23.1 R56.1 U1.97
X_STOP_CONN: D12.2 J33.1 R56.2
Y_DIR: R16.1 TP2.2 U1.92 U7.41
Y_EN: TP2.3 U1.86 U7.18
Y_MOT_1A: C89.2 J8.2 U7.5.6 U7.10.1
Y_MOT_1B: C86.2 J8.1 U7.2.3 U7.7.8
Y_MOT_2A: C108.2 J8.3 U7.26.7 U7.31.2
Y_MOT_2B: C114.2 J8.4 U7.23.4 U7.28.9
Y_STEP: R111.1 TP2.1 U1.119 U7.42
Y_STOP: C41.1 D22.1 R57.1 U1.93
Y_STOP_CONN: D9.2 J32.1 R57.2
Z_DIR: R85.1 TP1.2 U1.88 U6.41
Z_EN: TP1.3 U1.90 U6.18
Z_MOT_1A: C106.2 J7.2 U6.5.6 U6.10.1
Z_MOT_1B: C87.2 J36.1 U6.2.3 U6.7.8
Z_MOT_2A: C109.2 J36.3 U6.26.7 U6.31.2
Z_MOT_2B: C115.2 J7.4 U6.23.4 U6.28.9
Z_PROBE_IN: J28.1 R62.2
Z_PROBE_MCU: C90.1 D24.2 R62.1 U1.38
Z_PROBE_MOD: J28.3 U1.39 U10.5
Z_PROBE_MOD_BUFF: D4.1 U10.6
Z_STEP: R112.1 TP1.1 U1.113 U6.42
Z_STOP: C42.1 D22.2 R58.1 U1.108
Z_STOP_CONN: D10.2 J19.1 R58.2
Net-(C2-Pad1): C2.1 D25.1 R107.1 S1.3 S1.4
Net-(C13-Pad1): C13.1 J22.CE
Net-(C14-Pad1): C14.1 R26.2 U5.12
Net-(C15-Pad1): C15.1 R28.2 U6.12
Net-(C20-Pad1): C20.1 U5.13
Net-(C21-Pad1): C21.1 U6.13
Net-(C24-Pad2): C24.2 U5.35
Net-(C25-Pad2): C25.2 U6.35
Net-(C28-Pad1): C28.1 R27.2 U5.22
Net-(C29-Pad1): C29.1 R29.2 U6.22
Net-(C30-Pad1): C30.1 U7.13
Net-(C31-Pad1): C31.1 U8.13
Net-(C34-Pad2): C34.2 U7.35
Net-(C35-Pad2): C35.2 U8.35
Net-(C38-Pad1): C38.1 R38.2 U7.12
Net-(C39-Pad1): C39.1 R40.2 U8.12
Net-(C44-Pad1): C44.1 U1.142 X2.3
Net-(C45-Pad1): C45.1 U1.141 X2.1
Net-(C56-Pad1): C56.1 R39.2 U7.22
Net-(C57-Pad1): C57.1 R41.2 U8.22
Net-(C66-Pad1): C66.1 R13.2
Net-(C67-Pad1): C67.1 L6.2 R13.1 U1.139
Net-(C100-Pad1): C100.1 U9.13
Net-(C103-Pad2): C103.2 U9.35
Net-(C105-Pad1): C105.1 R89.2 U9.12
Net-(C110-Pad1): C110.1 R90.2 U9.22
Net-(D3-Pad2): D3.2 R1.1
Net-(D4-Pad2): D4.2 R104.2
Net-(D7-Pad1): D7.1 R67.1
Net-(D9-Pad1): D9.1 R69.1
Net-(D10-Pad1): D10.1 R70.1
Net-(D11-Pad1): D11.1 R71.1
Net-(D12-Pad1): D12.1 R72.1
Net-(D15-Pad2): D15.2 R55.1
Net-(D16-Pad2): D16.2 R60.1
Net-(D17-Pad2): D17.2 R61.1
Net-(D19-Pad1): D19.1 R96.1
Net-(D20-Pad1): D20.1 R98.1
Net-(D26-Pad2): D26.2 R109.1
Net-(J15-Pad1): J15.1 R22.1 R73.1
Net-(J15-Pad2): J15.2 R25.1 R74.1
Net-(J15-Pad3): J15.3 R48.1 R63.1
Net-(J15-Pad5): J15.5 R68.1
Net-(J15-Pad7): J15.7 R75.1 R77.1
Net-(J15-Pad8): J15.8 R76.1 R78.1
Net-(J15-Pad9): J15.9 R64.1 R79.1
Net-(J22-Pad2): J22.2 R3.1
Net-(J22-Pad3): J22.3 R2.1
Net-(J36-Pad2): J7.1 J36.2
Net-(J36-Pad4): J7.3 J36.4
Net-(R14-Pad1): R14.1 TR7.G
Net-(R23-Pad1): R23.1 TR4.G
Net-(R26-Pad1): R26.1 R34.2 U5.9
Net-(R27-Pad1): R27.1 R32.2 U5.25
Net-(R28-Pad1): R28.1 R35.2 U6.9
Net-(R29-Pad1): R29.1 R33.2 U6.25
Net-(R38-Pad1): R38.1 R46.2 U7.9
Net-(R39-Pad1): R39.1 R44.2 U7.25
Net-(R40-Pad1): R40.1 R47.2 U8.9
Net-(R41-Pad1): R41.1 R45.2 U8.25
Net-(R42-Pad1): R42.1 TR5.1
Net-(R43-Pad1): R43.1 TR9.1
Net-(R49-Pad1): R49.1 U4.2
Net-(R66-Pad1): R66.1 TR1.1
Net-(R89-Pad1): R89.1 R94.2 U9.9
Net-(R90-Pad1): R90.1 R93.2 U9.25
Net-(R97-Pad1): R97.1 TR8.G
Net-(R100-Pad1): R100.1 U4.3
Net-(R101-Pad1): R101.1 U4.4
Net-(R105-Pad1): R105.1 U4.5
Net-(R109-Pad2): R109.2 U4.7
Net-(U11-Pad1): U11.1 U11.6 U11.9 U11.12

Pads without a net: J22 4; J37 10; U1 31 105 109; U4 16 17; U5 20 34 37 38; U6 20 34 37 38; U7 20 34 37 38; U8 20 34 37 38; U9 20 34 37 38; U10 8

## Via types
v1: diameter 0.6, hole 0.4, Top to Bottom, 1073 vias

## Routing (per net, layer and track width the routed paths; a pad name or vN(x,y) marks a point on that pad's centre or on a via; arc(x,y) is an arc through that point)
5V_EXT: length 272.8
  Top w0.508: v1(46.29,11.5) 46.29,11.4 45.19,10.3
  Top w0.762: v1(71.29,77.7) v1(71.29,76.8) 71.39,76.9 D2.1 72.29,76 C80.1 ; 59.19,92.4 59.79,91.8 v1(59.79,91.5) ; 59.19,92.4 58.89,92.1 v1(58.89,91.5) ; 59.19,92.4 D29.1
  In2.Cu w0.508: J30.1 96.94,32.97 99.36,35.39 99.36,107.12 97.41,109.07 95.68,109.07 J1.1
  Bottom w0.508: 61.09,80.8 58.99,80.8 58.49,80.3 58.49,78.7 57.59,77.8 57.59,76 56.08,74.5 51.18,74.5 46.58,69.89 46.58,13.43 46.6,13.4 46.69,13.31 46.69,11.9 v1(46.29,11.5)
  Bottom w0.75: v1(71.29,76.8) 73.31,74.79 83.54,74.79 85.89,77.13 85.89,78.4 ; J1.1 92.55,112.19 84.48,112.19 83.7,111.41 83.7,100.14 84.29,99.55 84.29,94.6 83.09,93.4 83.09,79.4 84.09,78.4 85.89,78.4 ; 85.89,78.4 P1.1
  Bottom w0.762: 60.19,87.5 61.09,86.6 61.09,80.8 69.59,80.8 71.29,79.1 v1(71.29,77.7) v1(71.29,76.8) ; 60.19,87.5 58.99,86.3 56.19,86.3 J3.1 ; 60.19,87.5 60.19,91.1 v1(59.79,91.5) v1(58.89,91.5)
5V_EXT_INPUT: length 40.4
  Top w0.762: v1(47.88,110.58) 47.92,110.54 v1(49.17,110.54) 49.31,110.68 50.02,110.68 52.05,110.68 52.61,110.13 52.61,109.84 52.79,109.66 52.79,106.5 52.82,106.47 JP10.2
  In1.Cu w0.762: v1(49.17,110.54) 49.13,110.58 v1(47.88,110.58) 40.01,110.58 36.22,114.36 36.22,119.27 33.91,121.58 29.52,121.58 28.46,120.53 J20.1
5V_INT: length 171.6
  Top w0.254: D17.1 20.9,1.42 20.32,0.84 v1(18.59,0.84) ; 42.2,15.3 42.2,14.69 U11.14
  Top w0.381: v1(41.49,13.9) 42.2,14.61 42.2,15.3
  Top w0.5: D30.1 45.97,13.04 v1(45.89,13.11)
  Top w0.508: v1(45.89,13.11) 44.54,13.11 42.79,11.36 D13.1 ; U2.1 61.08,81.99 63.39,84.3 63.39,84.75
  Top w0.762: D14.1 60.81,100.22 60.81,87.28 61.08,87.01 61.08,84.91 61.65,84.35 61.65,82.65 ; 61.65,82.65 63.39,84.39 63.39,84.75 64.89,84.75 64.89,82.9 67.19,80.6 70.19,80.6 70.89,79.9 D27.1 ; 61.65,82.65 61.06,82.06 v1(59.94,82.06) 59.58,81.7 58.69,81.7
  In1.Cu w0.254: v1(41.49,13.9) 41.49,9.02 33.31,0.84 v1(18.59,0.84)
  In1.Cu w0.508: v1(41.49,13.9) 42.28,13.11 v1(45.89,13.11)
  Bottom w0.508: v1(45.89,13.11) 45.87,13.13 45.87,70.19 50.89,75.2 55.69,75.2 56.88,76.4 56.88,78.2 57.72,79.04 57.72,80.59 59.2,82.06 v1(59.94,82.06)
+3.3V: length 496.3
  Top w0.254: 67.88,22.21 v1(67.88,23.43) ; 83.65,49.65 v1(83.67,49.65) ; 83.65,49.65 v1(83.67,49.65) ; 83.65,49.65 U1.43 ; v1(83.67,49.65) 84.17,49.65 C11.1 ; 83.66,39.82 84.04,39.44 ; 83.66,39.82 83.66,40.19 ; 83.66,39.82 84.04,39.44 ; 83.66,39.82 83.66,40.19 ; 84.04,39.44 87.28,39.44 ; 84.04,39.44 87.28,39.44 ; 87.28,39.44 88.08,39.44 89.15,40.5 v1(90.19,40.5) ; v1(52.38,65.5) 51.29,64.41 51.29,64.24 51.29,65.54 51.07,65.76 U10.14 ; 0.68,81.35 0.68,64.79 ; 0.68,81.35 0.77,81.26 0.68,81.26 2.74,81.26 5.98,84.5 v1(7.24,84.5) ; 0.68,81.35 0.68,96.42 2.2,97.93 2.88,97.93 4.02,99.08 ; 0.68,64.79 3.31,64.79 4.07,65.54 4.07,65.97 ; 0.68,64.79 0.68,54.6 ; 5.89,53.32 5.89,54.03 5.47,54.45 0.83,54.45 0.68,54.6 ; 0.68,54.6 0.68,48.17 0.91,47.95 4.59,47.95 5.69,49.05 5.69,49.25 ; 76.17,29.46 76.17,30.97 76.35,31.15 75.41,32.09 v1(75.3,32.09) 74.9,31.68 74.49,31.68 U1.5 ; v1(82.48,30.68) 82.4,30.76 L5.2 82.1,30.76 ; v1(67.99,25.5) 67.99,27.1 69.09,28.2 69.06,28.2 68.17,29.1 68.17,30.64 U1.143 ; U1.134 64.57,33.4 v1(64.31,33.4) 63.67,33.4 62.77,34.3 62.77,34.32 ; D24.3 46.7,46.42 JP1.1 ; v1(66.09,59.5) 65.89,59.3 65.89,57.26 U1.80 ; 55.09,54.6 55.09,53.7 v1(55.79,53) 55.86,52.93 56.89,52.93 57.72,52.1 59.73,52.1 U1.96 ; 67.89,17.5 v1(67.89,16.4) ; D23.3 48.6,57.31 v1(49.79,58.5) 49.79,58.68 D22.3 ; D16.1 26.18,2.15 29.66,5.63 36.36,5.63 36.95,6.22 38.25,6.22 39.49,7.46 39.49,10.4 43.02,13.94 43.02,18.3 41.39,19.93 40.16,19.93 v1(39.79,20.3) ; U1.30 83.66,40.19 ; U11.2 40,20.09 v1(39.79,20.3) ; U1.72 72.92,59.43 73.36,59.43 74.17,60.24 74.59,59.82 v1(74.59,59.4) ; D26.1 70.13,2.57 v1(69.89,2.8) ; 55.7,71.29 v1(56.94,71.29) ; R75.2 53.09,19.65 v1(53.09,19.2) 53.89,18.4 53.89,18.1 54.39,18.6 55.39,18.6 ; 39.35,18.75 39.35,19.87 v1(39.79,20.3) ; v1(64.69,20.5) 64.59,20.4 64.59,19.2 ; J15.4 v1(62.15,16.5) 61.59,17.06 61.59,17.8
  Top w0.381: 27.02,72.35 27.09,72.28 v1(28.27,72.28) ; 27.26,92.3 26.07,91.12 U7.40 ; 27.26,92.3 27.68,92.3 28.09,91.89 v1(28.09,91.5) ; 27.26,92.3 27.63,92.3 ; 29.62,110.53 30.63,110.53 v1(30.73,110.44)
  Top w0.508: 27.02,72.35 26.82,72.55 U5.40 ; v1(28.12,53) 27.34,53.78 27.02,53.78 26.82,53.98 U8.40 ; v1(28.19,34.35) 27.33,35.21 27.02,35.21 26.82,35.41 U9.40 ; 81.59,19 80.49,20.1 78.66,20.1 L7.1 ; v1(84.99,23.1) 84.99,22 83.17,20.18 82.57,20.18 81.59,19.2 ; v1(92.56,58.18) 93.76,56.99 J1.43 ; U6.40 29.33,110.65
  Top w0.762: U2.3 60.93,73.96 58.67,73.96
  Top w1.016: v1(56.95,73.48) 58.19,73.48 58.67,73.96 ; v1(56.95,73.48) 56.93,73.46 v1(55.72,73.46) 55.68,73.5 55.09,73.5 ; v1(56.95,73.48) 55.74,73.48
  In1.Cu w0.254: v1(7.24,84.5) 7.24,82.18 12.94,76.48 23.3,76.48 23.38,76.41 27.52,72.28 v1(28.27,72.28) ; v1(69.89,2.8) 71.09,4 71.09,15.4 70.09,16.4 v1(67.89,16.4)
  In1.Cu w0.381: v1(35.69,90.4) 34.19,91.9 34.19,106.98 30.73,110.44 v1(30.73,110.44)
  In1.Cu w1.016: J32.2 40.93,74.22 42.62,75.91 ; 42.62,75.91 42.62,80.46 39.39,83.69 J19.2 ; 42.62,75.91 46.73,71.8 54.05,71.8 v1(55.72,73.46)
  Bottom w0.254: 39.45,34.78 39.45,34.77 39.45,20.65 v1(39.79,20.3)
  Bottom w0.381: J34.2 39.87,53.15 28.27,53.15 v1(28.12,53) ; J32.2 38.22,71.75 28.85,71.75 28.32,72.28 ; v1(28.19,34.35) 28.43,34.59 ; J19.2 37.35,85.04 37.35,87.39 38.56,88.6 38.56,89.94 38.1,90.4 v1(35.69,90.4) 35.65,90.37 29.23,90.37 v1(28.09,91.5)
  Bottom w0.446: 92.99,36.1 94.29,36.1 95.45,37.27 95.45,40.44 96.19,41.17 96.19,42.02 J28.4
  Bottom w0.508: J32.2 39.15,72.68 39.15,65.46 J33.2 39.29,62.51 39.29,55.38 J34.2 39.14,52.42 39.14,45.61 J35.2 39.45,42.82 39.45,34.78 39.26,34.59 28.43,34.59 ; 92.49,72.8 92.49,74.09 92.53,74.13 92.53,74.76 92.49,74.8 92.49,75.63 92.76,75.9 92.76,76.52 92.73,76.55 92.73,81.74 88.03,86.44 86.3,86.44 P1.8 86.29,88.97 86.29,92.01 87.57,93.29 P2.1 89.08,102.2 89.09,102.2 89.09,105.9 90.97,107.79 J1.3
